# KiCad board corevus-g.kicad_pcb
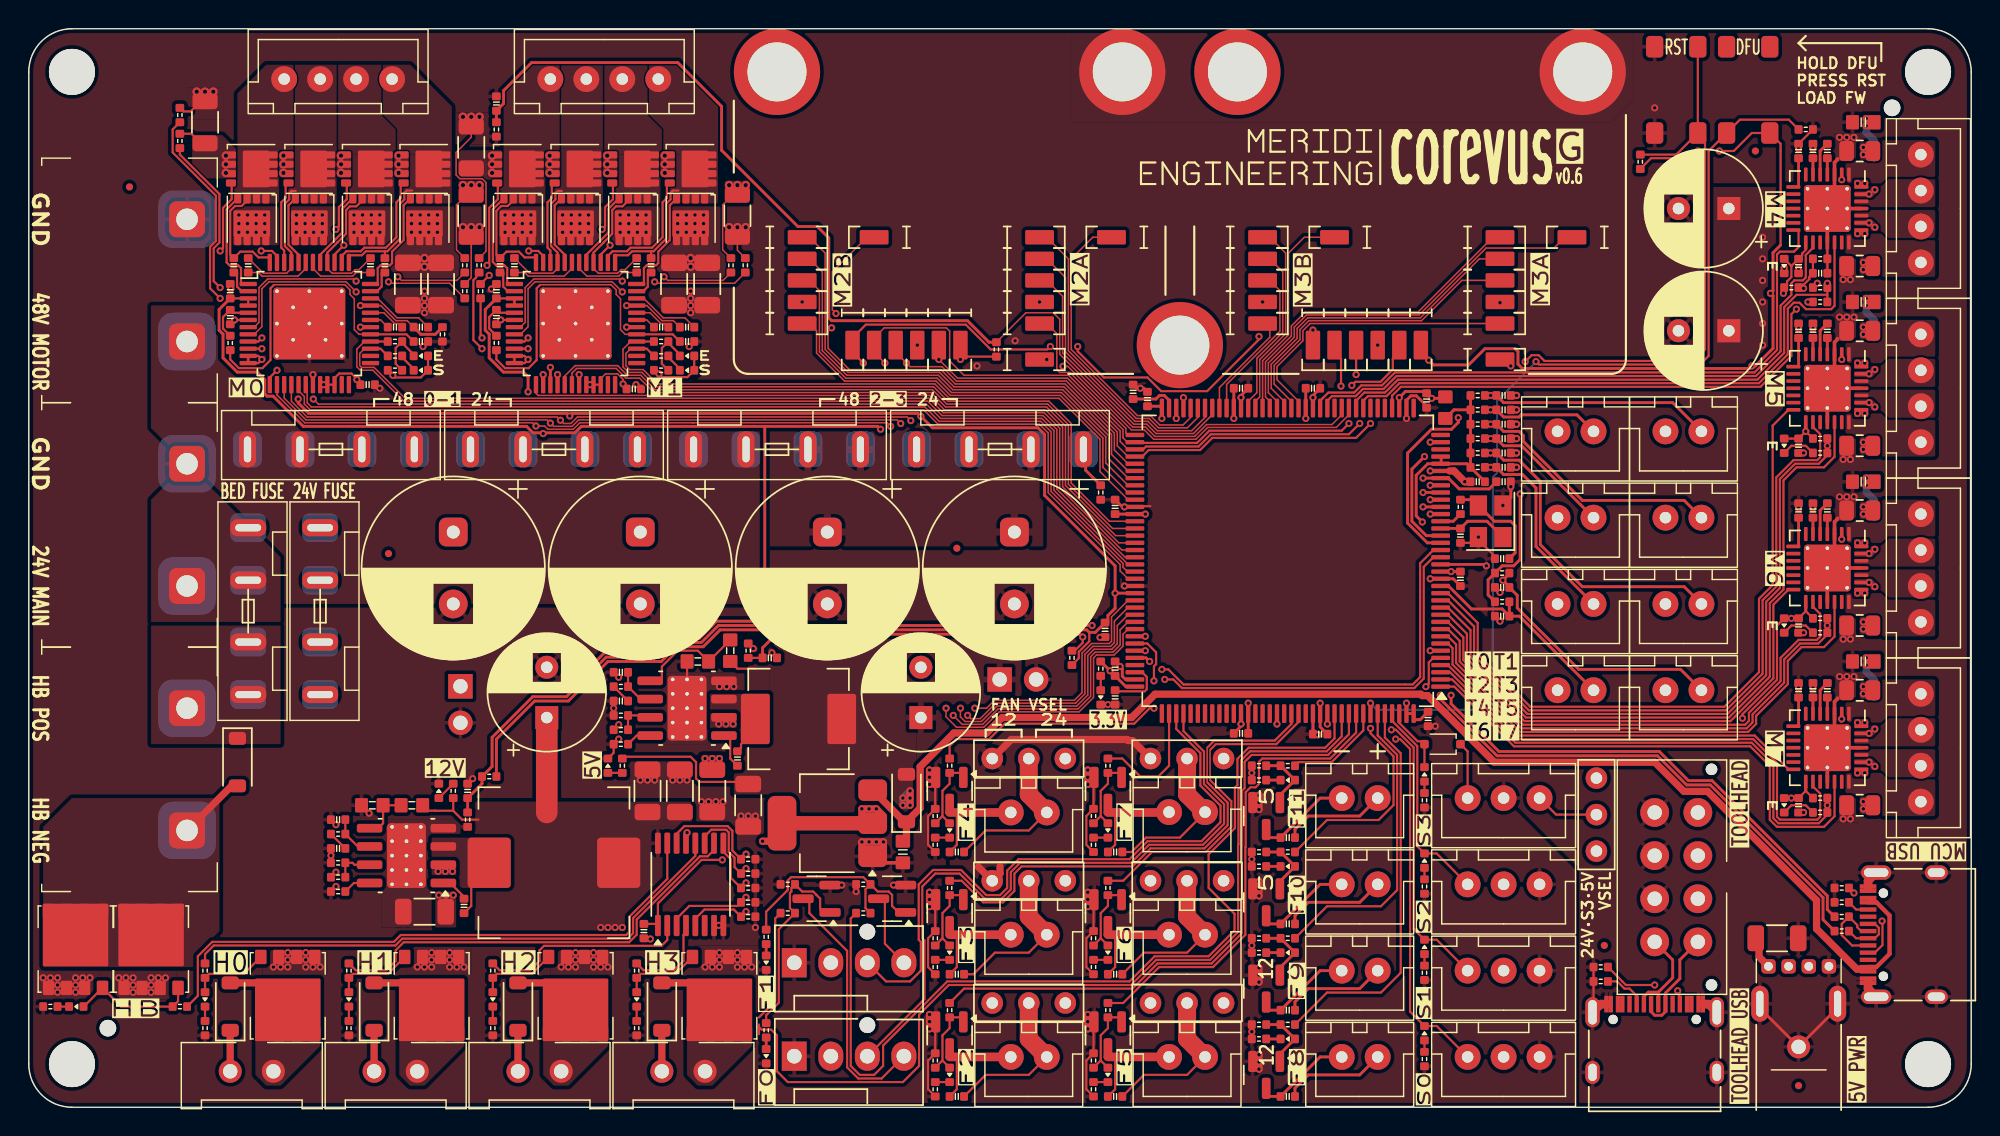
[diagram p0: board, top side]
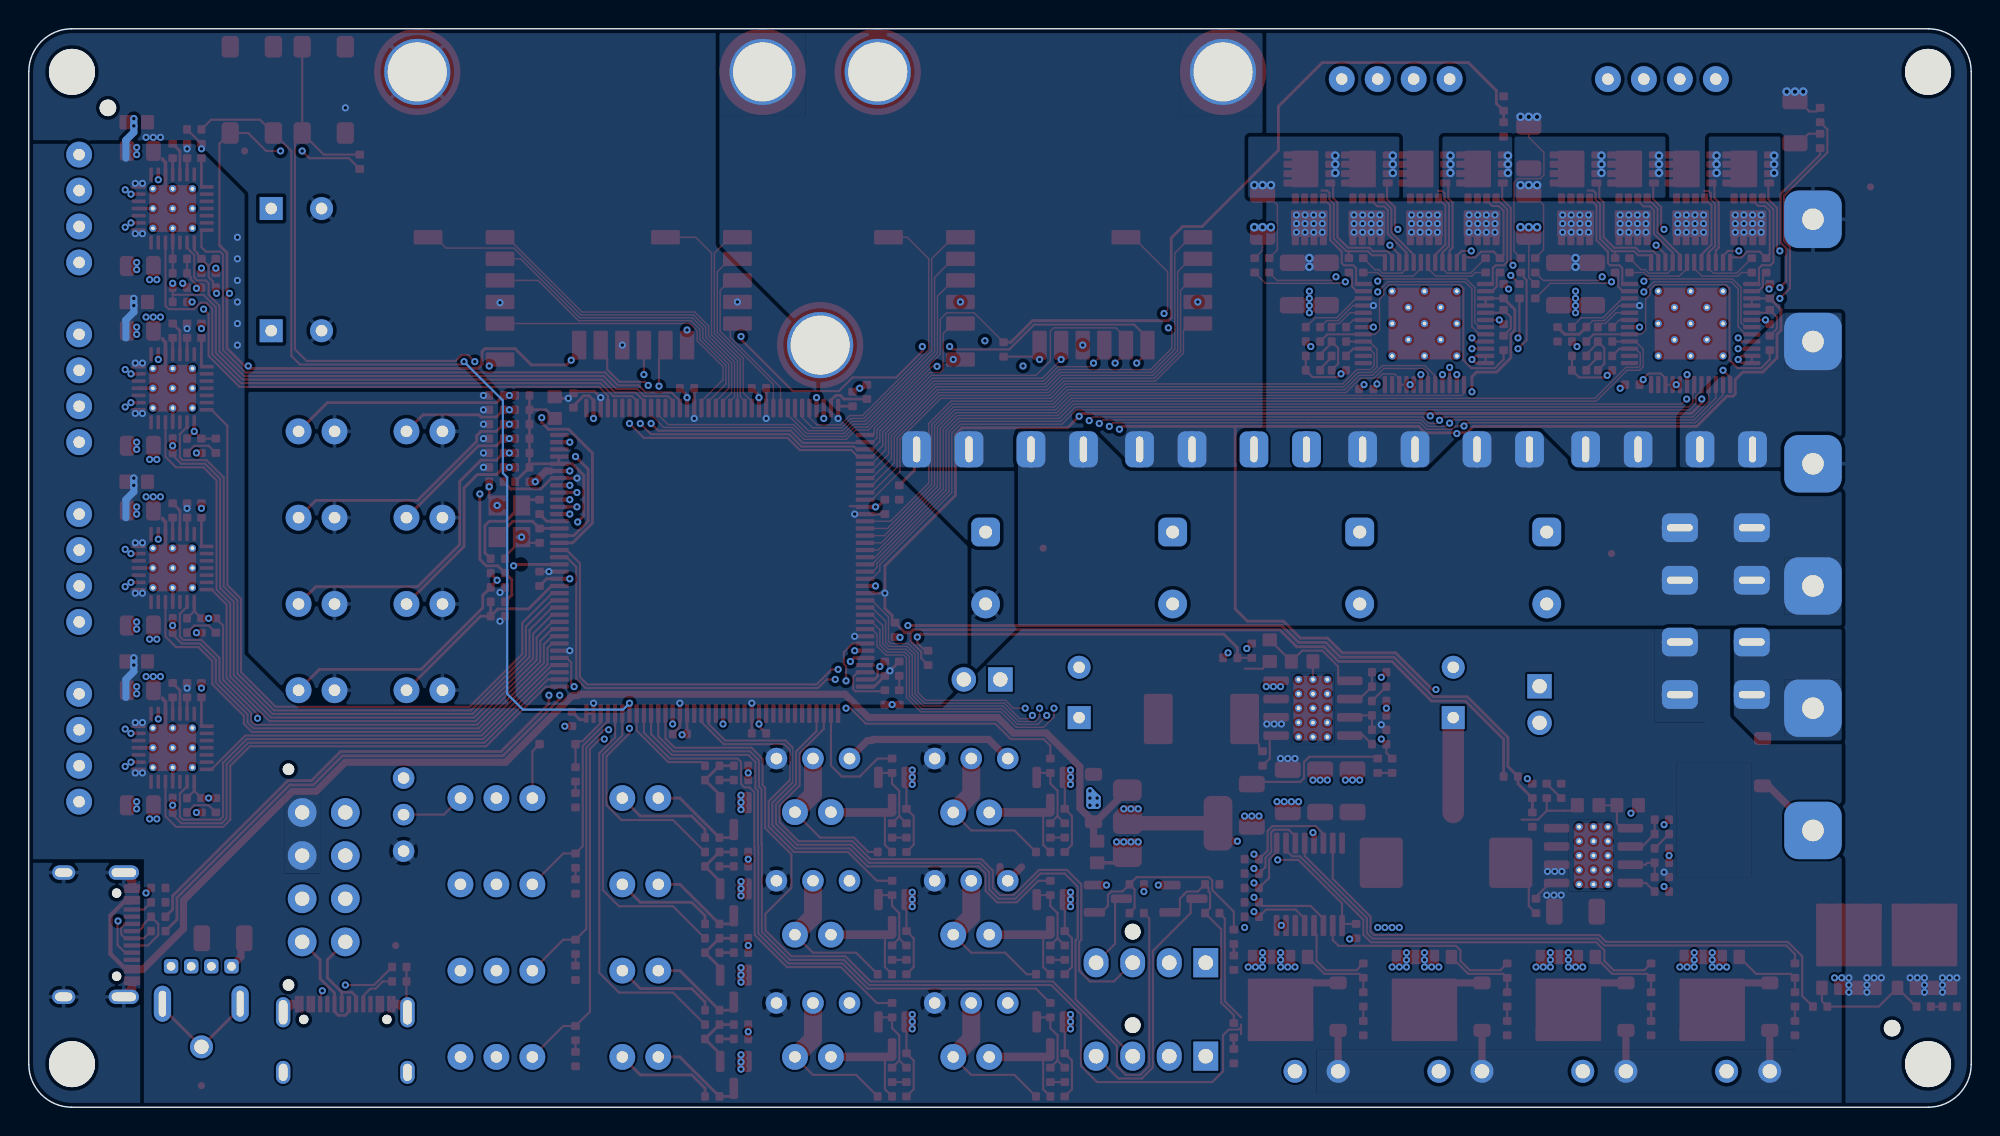
[diagram p1: board, bottom side, seen from below]

Outline 135 x 75 mm; copper layers: Top, In1.Cu (plane), In2.Cu (plane), Bottom. Coordinates in mm from the lower left corner of the outline.
Outline path: 0,72 arc(0.88,74.12) 3,75 132,75 arc(134.12,74.12) 135,72 135,3 arc(134.12,0.88) 132,0 3,0 arc(0.88,0.88) 0,3 0,72
Stack: Top 0.035mm / dielectric 0.1mm FR4 er 4.5 / In1.Cu 0.035mm / dielectric 1.24mm FR4 er 4.5 / In2.Cu 0.035mm / dielectric 0.1mm FR4 er 4.5 / Bottom 0.035mm

## Placement (name value [footprint] x y rotation side)
C1  16pF  [0402C]  99.5 39.75 90 top
C2  16pF  [0402C]  102.4 38.15 0 top
C3  2.2μF  [0402C]  75.5 28.5 90 top
C4  2.2μF  [0402C]  76.75 49.75 90 top
C5  1μF  [0402C]  42.75 12.25 90 top
C6  1μF  [0402C]  102.5 44.5 180 top
C7  1μF  [0402C]  102.5 45.5 180 top
C8  1μF  [0402C]  102.5 46.5 180 top
C9  1μF  [0402C]  102.5 49.5 180 top
C10  100nF 50V  [0402C]  64.5 0.75 0 top
C11  100nF 50V  [0402C]  64.5 9.25 0 top
C12  220μF 35V  [CP_Radial_D8.0mm_P3.50mm]  118.15 62.5 180 top
C13  470μF 63V  [CP_Radial_D12.5mm_P5.00mm]  29.5 37.5 0 top
C14  470μF 63V  [CP_Radial_D12.5mm_P5.00mm]  42.5 37.5 0 top
C15  1µF  [0402C]  99.5 36.75 270 top
C16  470μF 63V  [CP_Radial_D12.5mm_P5.00mm]  55.5 37.5 0 top
C17  470μF 63V  [CP_Radial_D12.5mm_P5.00mm]  68.5 37.5 0 top
C18  1μF  [0402C]  123 58.5 270 top
C19  1μF  [0402C]  123 66.5 270 top
C20  100nF 16V  [0402C]  124 66.5 90 top
C21  22nF 50V  [0402C]  125 66.5 90 top
C22  1μF 50V  [0603C]  127.5 68.5 0 top
C23  1μF  [0402C]  123 46 270 top
C24  1μF  [0402C]  123 54 270 top
C25  100nF 16V  [0402C]  124 54 90 top
C26  22nF 50V  [0402C]  125 54 90 top
C27  1μF 50V  [0603C]  127.5 56 0 top
C28  1μF  [0402C]  123 33.5 270 top
C29  1μF  [0402C]  123 41.5 270 top
C30  100nF 16V  [0402C]  124 41.5 90 top
C31  22nF 50V  [0402C]  125 41.5 90 top
C32  1μF 50V  [0603C]  127.5 43.5 0 top
C33  1μF  [0402C]  123 21 270 top
C34  1μF  [0402C]  123 29 270 top
C35  100nF 16V  [0402C]  124 29 90 top
C36  22nF 50V  [0402C]  125 29 90 top
C37  1μF 50V  [0603C]  127.5 31 0 top
C38  100nF  [0402C]  30.25 14 270 top
C39  100nF 16V  [0402C]  45.75 54.25 180 top
C40  47nF 100V  [0402C]  43.95 54.25 0 top
C41  1μF  [0402C]  42.05 49.95 180 top
C42  1μF  [0402C]  32.5 54.95 90 top
C43  1μF  [0402C]  45.75 53.25 180 top
C44  1µF  [0402C]  97.15 49.15 270 top
C45  1μF  [0402C]  32.5 56.75 270 top
C46  1µF  [0402C]  89.25 50 0 top
C47  1μF  [0402C]  32.75 58.55 90 top
C48  1μF  [0402C]  33.75 58.55 90 top
C49  1μF  [0402C]  42.25 58.55 90 top
C50  1μF  [0402C]  43.25 58.55 90 top
C51  1μF 100V  [C_1206_3216Metric]  44.85 57.25 270 top
C52  1μF 100V  [C_1206_3216Metric]  47.15 57.25 270 top
C53  1µF  [0402C]  84.25 50 0 top
C54  100nF 16V  [0402C]  27.25 54.25 180 top
C55  47nF 100V  [0402C]  25.45 54.25 0 top
C56  1μF  [0402C]  23.55 50.25 180 top
C57  1μF  [0402C]  14 54.95 90 top
C58  1μF  [0402C]  27.25 53.25 180 top
C59  1µF  [0402C]  77.75 49.25 90 top
C60  1μF  [0402C]  14 56.75 270 top
C61  1µF  [0402C]  75.5 41.75 90 top
C62  1μF  [0402C]  14.25 58.55 90 top
C63  1μF  [0402C]  15.25 58.55 90 top
C64  1μF  [0402C]  23.75 58.55 90 top
C65  1μF  [0402C]  24.75 58.55 90 top
C66  1μF 100V  [C_1206_3216Metric]  26.35 57.25 270 top
C67  1μF 100V  [C_1206_3216Metric]  28.65 57.25 270 top
C68  1μF  [0402C]  30.5 22 270 top
C69  1μF  [0402C]  32.5 69.8 270 top
C70  1μF  [0402C]  124.5 58 180 top
C71  1μF  [0402C]  51.5 31.25 180 top
C72  1μF  [0402C]  102.4 34.15 0 top
C73  1μF  [0402C]  102.4 36.15 0 top
C74  100nF 50V  [0402C]  64.5 17.75 0 top
C75  100nF 50V  [0402C]  75.5 17.75 0 top
C76  100nF 50V  [0402C]  75.5 0.75 0 top
C77  1μF  [0402C]  102.5 48.5 180 top
C78  1μF  [0402C]  102.5 47.5 180 top
C79  1µF  [0402C]  74.8 33.2 270 top
C80  100nF  [0402C]  49.25 24.25 90 top
C81  1µF  [0402C]  84.25 26 180 top
C82  1µF  [0402C]  89.75 25.95 180 top
C83  1µF  [0402C]  97.25 27 270 top
C84  1µF  [0402C]  102.5 43.5 0 top
C85  1µF  [0402C]  100.7 43.5 180 top
C86  22μF 25V  [C_1206_3216Metric]  121.5 11.75 0 top
C88  33pF  [0402C]  21.5 20 180 top
C89  100nF 50V  [0402C]  75.5 9.25 0 top
C90  100nF 50V  [0402C]  87.5 0.75 0 top
C91  100nF 50V  [0402C]  87.5 6.75 0 top
C92  100nF 50V  [0402C]  87.5 12.75 0 top
C93  100nF 50V  [0402C]  87.5 18.75 0 top
C94  10μF 50V  [C_1206_3216Metric]  27.5 13.6 180 top
C95  22μF 25V  [C_1206_3216Metric]  45.25 22 90 top
C96  10μF 50V  [C_1206_3216Metric]  47.5 22 270 top
C97  2.2nF  [0402C]  21.5 18 180 top
C98  100pF  [0402C]  41.15 30.25 180 top
C99  10nF  [0402C]  41.15 28.25 180 top
C101  10μF  [0603C]  60.75 17.75 270 top
C102  1μF  [0402C]  75.5 30.5 90 top
C105  22μF 25V  [C_1206_3216Metric]  50 21 270 top
C106  220μF 25V  [CP_Radial_D8.0mm_P3.50mm]  62 27.1 90 top
C107  22μF 25V  [C_1206_3216Metric]  43 22 90 top
C108  220μF 25V  [CP_Radial_D8.0mm_P3.50mm]  36 27.1 90 top
C109  220μF 35V  [CP_Radial_D8.0mm_P3.50mm]  118.15 54 180 top
D1  Red  [0402LED]  64 19.25 90 top
D2  Red  [0402LED]  64 2.25 90 top
D3  Red  [0402LED]  64 10.75 90 top
D4  Grn  [0402LED]  45.75 51.25 0 top
D5  Red  [0402LED]  75 2.25 90 top
D6  Red  [0402LED]  51.25 3.55 90 top
D7  Red  [0402LED]  75 19.25 90 top
D8  Red  [0402LED]  51.25 10.05 90 top
D9  Red  [0402LED]  75 10.75 90 top
D10  Red  [0402LED]  87.5 4.75 0 top
D11  Red  [0402LED]  87.5 10.75 0 top
D12  Red  [0402LED]  3.3 7 0 top
D13  Grn  [0402LED]  27.25 51.25 0 top
D14  5819  [D_SOD-123]  14.5 24 270 top
D15  Red  [0402LED]  87.5 16.75 0 top
D16  Red  [0402LED]  87.5 22.75 0 top
D17  Grn  [0402LED]  28.5 22 270 top
D18  Red  [0402LED]  97 5.15 270 top
D19  Red  [0402LED]  45.75 52.25 0 top
D20  Red  [0402LED]  27.25 52.25 0 top
D21  Red  [0402LED]  122 58.5 90 top
D22  Red  [0402LED]  122 46 90 top
D23  Red  [0402LED]  122 33.5 90 top
D24  Red  [0402LED]  122 21 90 top
D25  Red  [0402LED]  97 11.15 270 top
D26  Red  [0402LED]  97 17.15 270 top
D27  Red  [0402LED]  97 23.15 270 top
D28  1N5819  [D_SOD-323]  98.25 25.25 180 top
D29  5819  [D_SOD-123]  61 21.5 90 top
D30  Grn  [0402LED]  74.5 28.5 90 top
D31  Red  [0402LED]  22.25 7.5 90 top
D32  Grn  [0402LED]  40.25 23.75 270 top
D33  Red  [0402LED]  12.25 7.5 90 top
D34  Red  [0402LED]  32.25 7.5 90 top
D35  Red  [0402LED]  42.25 7.5 90 top
D36  5819  [D_SOD-123]  24 7 90 top
D38  5819  [D_SOD-123]  14 7 90 top
D39  5819  [D_SOD-123]  34 7 90 top
D40  5819  [D_SOD-123]  44 7 90 top
F1  10A  [XF-506P]  52 45.75 0 top
F2  10A  [XF-506P]  67.5 45.75 0 top
F3  10A  [XF-506P]  15.25 34.5 270 top
F4  10A  [XF-506P]  21 45.75 0 top
F5  10A  [XF-506P]  36.5 45.75 0 top
F6  10A  [XF-506P]  20.25 34.5 270 top
FB1  GZ1608  [0603]  98.45 48.65 270 top
FID1  Fiducial  [Fiducial_0.5mm_Mask1mm]  7 64 0 top
FID2  Fiducial  [Fiducial_0.5mm_Mask1mm]  64.5 38.88 0 top
FID3  Fiducial  [Fiducial_0.5mm_Mask1mm]  120 66.5 0 top
FID4  Fiducial  [Fiducial_0.5mm_Mask1mm]  109.5 11.25 0 top
FID5  Fiducial  [Fiducial_0.5mm_Mask1mm]  25 38.5 0 top
FID6  Fiducial  [Fiducial_0.5mm_Mask1mm]  123 1.5 0 top
H1  MountingHole  [MountingHole_3.2mm_M3_DIN965]  3 72 0 top
H2  MountingHole  [MountingHole_3.2mm_M3_DIN965]  3 3 0 top
H3  MountingHole  [MountingHole_3.2mm_M3_DIN965]  132 72 0 top
H4  MountingHole  [MountingHole_3.2mm_M3_DIN965]  132 3 0 top
H5  V_{M}  [M3_M2.5_PCB_Nut]  52 72 0 top
H6  Gnd  [M3_M2.5_PCB_Nut]  76 72 0 top
H7  V_{M}  [M3_M2.5_PCB_Nut]  84 72 0 top
H8  Gnd  [M3_M2.5_PCB_Nut]  108 72 0 top
H9  -  [ToolingHole]  129.5 69.5 0 top
H10  -  [ToolingHole]  5.5 5.5 0 top
H13  Back  [M3_M2.5_PCB_Nut]  80 53 0 top
J1  USB 2.0  [USB_Type-C_16p]  131.5 12 90 top
J2  JST XH  [JST_XH_1x02]  69.5 3.5 0 top
J3  1x2P  [Kefa_KF8500-8.5-2P]  11 57.5 270 top
J4  JST XH  [JST_XH_1x02]  69.5 12 0 top
J5  JST XH  [JST_XH_1x02]  80.5 3.5 0 top
J6  KK2.54  [FanPinHeader_1x04_P2.54mm_Vertical]  53.2 3.55 0 top
J7  JST XH  [JST_XH_1x02]  115 35 0 top
J8  JST XH  [JST_XH_1x02]  107.5 35 0 top
J9  JST XH  [JST_XH_1x02]  107.5 41 0 top
J10  JST XH  [JST_XH_1x02]  115 47 0 top
J11  JST XH  [JST_XH_1x02]  107.5 47 0 top
J12  JST XH  [JST_XH_1x02]  115 41 0 top
J13  USB 2.0  [USB_Type-C_16p]  113 3.5 0 top
J14  KK2.54  [FanPinHeader_1x04_P2.54mm_Vertical]  53.2 10.05 0 top
J15  JST XH  [JST_XH_1x02]  80.5 12 0 top
J16  JST XH  [JST_XH_1x02]  92.5 3.5 0 top
J17  JST XH  [JST_XH_1x02]  92.5 9.5 0 top
J18  1x3P  [PinHeader_1x03_P2.54mm_Vertical]  66.96 7.25 90 top
J19  1x3P  [PinHeader_1x03_P2.54mm_Vertical]  66.96 24.25 90 top
J20  1x3P  [PinHeader_1x03_P2.54mm_Vertical]  66.96 15.75 90 top
J21  JST XH  [JST_XH_1x02]  92.5 15.5 0 top
J22  JST XH  [JST_XH_1x02]  92.5 21.5 0 top
J23  JST XH  [JST_XH_1x02]  107.5 29 0 top
J24  XH  [JST_XH_1x03]  102.5 3.5 0 top
J25  XH  [JST_XH_1x03]  102.5 9.5 0 top
J26  XH  [JST_XH_1x03]  102.5 15.5 0 top
J27  JST XH  [JST_XH_1x03]  102.5 21.5 0 top
J28  MF3 2x04P  [Molex_Micro-Fit-3.0_430450813]  114.5 16 270 top
J29  USB_A  [Jing_USB-A_906-761]  123.01 7 0 top
J30  MF3 1x02P  [HCTL_HC-MX3.0-2A]  25.5 2.5 0 top
J31  1x3P  [PinHeader_1x03_P2.54mm_Vertical]  77.96 7.25 90 top
J32  MF3 1x02P  [HCTL_HC-MX3.0-2A]  15.5 2.5 0 top
J33  MF3 1x02P  [HCTL_HC-MX3.0-2A]  35.5 2.5 0 top
J34  MF3 1x02P  [HCTL_HC-MX3.0-2A]  45.5 2.5 0 top
J35  1x2P  [Kefa_KF8500-8.5-2P]  11 40.5 270 top
J36  1x2P  [Kefa_KF8500-8.5-2P]  11 23.5 270 top
J37  JST XH  [JST_XH_1x02]  69.5 20.5 0 top
J38  1x3P  [PinHeader_1x03_P2.54mm_Vertical]  108.95 17.81 180 top
J39  JST XH  [JST_XH_1x02]  115 29 0 top
J40  JST XH  [JST_XH_1x02]  80.5 20.52 0 top
J41  1x3P  [PinHeader_1x03_P2.54mm_Vertical]  77.96 15.75 90 top
J42  1x3P  [PinHeader_1x03_P2.54mm_Vertical]  77.96 24.25 90 top
J43  1x2P  [PinHeader_1x02_P2.54mm_Vertical]  30 29.27 0 top  (not fitted)
J44  1x2P  [PinHeader_1x02_P2.54mm_Vertical]  67.47 29.75 90 top  (not fitted)
L1  47μH  [L_Changjiang_FXL1040]  36.5 17 0 top
L2  22μH  [L_Changjiang_FXL0640]  53.5 27 0 top
M1  JST XH  [JST_XH_1x04]  131.5 62.5 90 top
M2  JST XH  [JST_XH_1x04]  131.5 50 90 top
M3  JST XH  [JST_XH_1x04]  131.5 37.5 90 top
M4  JST XH  [JST_XH_1x04]  131.5 25 90 top
M5  JST XH  [JST_XH_1x04]  40 71.5 180 top
M6  JST XH  [JST_XH_1x04]  21.5 71.5 180 top
NT1  NetTie_2  [NetTie-2_SMD_Pad0.1mm]  97.5 44.25 0 top
NT3  NetTie_2  [NetTie-2_SMD_Pad0.1mm]  30.75 67.55 90 top
NT4  NetTie_2  [NetTie-2_SMD_Pad0.1mm]  49.25 59.9 270 top
NT5  NetTie_2  [NetTie-2_SMD_Pad0.1mm]  11.32 69.32 45 top
NT6  NetTie_2  [NetTie-2_SMD_Pad0.1mm]  30.75 59.9 270 top
Q1  AO3400  [SOT-23]  64 5 270 top
Q2  AO3400  [SOT-23]  64 13.5 270 top
Q3  30N06  [MOSFET_DFN8]  34 61.75 180 top
Q4  30N06  [MOSFET_DFN8]  38 61.75 180 top
Q5  30N06  [MOSFET_DFN8]  42 61.75 180 top
Q6  30N06  [MOSFET_DFN8]  46 61.75 180 top
Q7  30N06  [MOSFET_DFN8]  34 65.25 270 top
Q8  30N06  [MOSFET_DFN8]  38 65.25 270 top
Q9  30N06  [MOSFET_DFN8]  42 65.25 270 top
Q10  30N06  [MOSFET_DFN8]  46 65.25 270 top
Q11  30N06  [MOSFET_DFN8]  15.5 61.75 180 top
Q12  30N06  [MOSFET_DFN8]  19.5 61.75 180 top
Q13  30N06  [MOSFET_DFN8]  23.5 61.75 180 top
Q14  30N06  [MOSFET_DFN8]  27.5 61.75 180 top
Q15  30N06  [MOSFET_DFN8]  15.5 65.25 270 top
Q16  30N06  [MOSFET_DFN8]  19.5 65.25 270 top
Q17  30N06  [MOSFET_DFN8]  23.5 65.25 270 top
Q18  30N06  [MOSFET_DFN8]  27.5 65.25 270 top
Q19  AO3400  [SOT-23]  75 5 270 top
Q20  AO3400  [SOT-23]  54.75 14.5 180 top
Q21  AO3400  [SOT-23]  60 14.5 180 top
Q22  AO3400  [SOT-23]  75 13.5 270 top
Q23  AO3400  [SOT-23]  86 2.25 270 top
Q24  AO3400  [SOT-23]  86 8.25 270 top
Q25  60N03F  [MOSFET_DFN8_5x6]  8.5 11 0 top
Q26  60N03F  [MOSFET_DFN8_5x6]  3.25 11 0 top
Q27  AO3400  [SOT-23]  64 22 270 top
Q28  AO3400  [SOT-23]  86 14.25 270 top
Q29  AO3400  [SOT-23]  86 20.25 270 top
Q30  AO3400  [SOT-23]  75 22 270 top
Q31  DFN8-5x6  [MOSFET_DFN8_5x6]  28 7.75 180 top
Q33  DFN8-5x6  [MOSFET_DFN8_5x6]  18 7.75 180 top
Q34  DFN8-5x6  [MOSFET_DFN8_5x6]  38 7.75 180 top
Q35  DFN8-5x6  [MOSFET_DFN8_5x6]  48 7.75 180 top
R1  10kΩ  [0402R]  123.5 68 0 top
R2  4.7kΩ  [0402R]  102.4 35.15 180 top
R3  1kΩ  [0402R]  99.5 41.75 270 top
R4  33Ω  [0402R]  126 13.25 0 top
R5  33Ω  [0402R]  126 12.25 0 top
R6  5.1kΩ  [0402R]  126 15.25 0 top
R7  5.1kΩ  [0402R]  126 14.25 0 top
R8  220kΩ  [0402R]  74.5 42.75 270 top
R9  220kΩ  [0402R]  28.75 53.75 270 top
R10  10kΩ  [0402R]  50 14.25 0 top
R11  10kΩ  [0402R]  50 13.25 0 top
R12  4.7kΩ  [0402R]  102.4 37.15 180 top
R13  10kΩ  [0402R]  50 15.25 0 top
R14  10kΩ  [0402R]  50 16.25 0 top
R15  4.7kΩ  [0402R]  100.7 44.5 180 top
R16  4.7kΩ  [0402R]  100.7 45.5 180 top
R17  4.7kΩ  [0402R]  100.7 46.5 180 top
R18  4.7kΩ  [0402R]  100.7 49.5 180 top
R19  10kΩ  [0402R]  112 65.75 90 top
R20  100mΩ  [R_0805_2012Metric]  127.25 58.5 180 top
R21  100mΩ  [R_0805_2012Metric]  127.25 66.5 180 top
R22  4.7kΩ  [0402R]  124.5 57 0 top
R23  10kΩ  [0402R]  124.5 46.5 0 top
R24  4.7kΩ  [0402R]  124.5 45.5 0 top
R25  10kΩ  [0402R]  50 17.25 0 top
R26  100mΩ  [R_0805_2012Metric]  127.25 46 180 top
R27  100mΩ  [R_0805_2012Metric]  127.25 54 180 top
R28  10kΩ  [0402R]  124.5 34 0 top
R29  4.7kΩ  [0402R]  124.5 33 0 top
R30  100mΩ  [R_0805_2012Metric]  127.25 33.5 180 top
R31  100Ω  [0402R]  64 6.75 270 top
R32  1Ω  [0402R]  32.5 53.15 270 top
R33  33Ω  [0402R]  31.4 56.75 270 top
R34  33Ω  [0402R]  48.8 58.55 270 top
R35  50mΩ  [R_1206_3216Metric]  30.75 66.75 90 top
R36  50mΩ  [R_1206_3216Metric]  49.25 62 270 top
R37  33Ω  [0402R]  31.3 58.55 270 top
R38  33Ω  [0402R]  49.8 58.55 270 top
R39  100Ω  [0402R]  64 15.25 270 top
R40  1Ω  [0402R]  14 53.15 270 top
R41  33Ω  [0402R]  10.5 67.2 270 top
R42  33Ω  [0402R]  30.3 58.55 270 top
R43  50mΩ  [R_1206_3216Metric]  12.25 68.5 90 top
R44  50mΩ  [R_1206_3216Metric]  30.75 62 270 top
R45  33Ω  [0402R]  10.5 69 270 top
R46  33Ω  [0402R]  30.3 56.75 270 top
R47  100Ω  [0402R]  75 6.75 270 top
R48  100Ω  [0402R]  52.75 13.5 0 top
R49  10kΩ  [0402R]  63 3.25 90 top
R50  10kΩ  [0402R]  63 11.75 90 top
R51  4.7kΩ  [0402R]  100.7 48.5 180 top
R52  10kΩ  [0402R]  74 3.25 90 top
R53  10kΩ  [0402R]  52.75 15.5 180 top
R54  4.7kΩ  [0402R]  63 1.25 270 top
R55  4.7kΩ  [0402R]  63 9.75 270 top
R56  4.7kΩ  [0402R]  100.7 47.5 180 top
R57  4.7kΩ  [0402R]  74 1.25 270 top
R58  4.7kΩ  [0402R]  51.25 5.35 90 top
R59  100Ω  [0402R]  64 23.75 270 top
R60  100Ω  [0402R]  58 13.5 0 top
R61  100Ω  [0402R]  75 15.25 270 top
R62  100Ω  [0402R]  87.5 5.75 180 top
R63  100Ω  [0402R]  87.5 11.75 180 top
R64  10kΩ  [0402R]  58 15.5 180 top
R65  10kΩ  [0402R]  74 11.75 90 top
R66  10kΩ  [0402R]  85.5 5.75 180 top
R67  10kΩ  [0402R]  85.5 11.75 180 top
R68  100Ω  [0402R]  10.5 7 180 top
R69  4.7kΩ  [0402R]  51.25 11.85 270 top
R70  22kΩ  [0402R]  1.5 7 0 top
R71  4.7kΩ  [0402R]  74 9.75 270 top
R72  4.7kΩ  [0402R]  85.5 4.75 180 top
R73  4.7kΩ  [0402R]  85.5 10.75 180 top
R74  100Ω  [0402R]  87.5 17.75 180 top
R75  100Ω  [0402R]  87.5 23.75 180 top
R76  100Ω  [0402R]  75 23.75 270 top
R77  10kΩ  [0402R]  85.5 17.75 180 top
R78  10kΩ  [0402R]  85.5 23.75 180 top
R79  10kΩ  [0402R]  63 20.25 90 top
R80  4.7kΩ  [0402R]  85.5 16.75 180 top
R81  4.7kΩ  [0402R]  85.5 22.75 180 top
R82  10kΩ  [0402R]  74 20.25 90 top
R83  4.7kΩ  [0402R]  97 21.35 270 top
R84  4.7kΩ  [0402R]  97 3.35 270 top
R85  4.7kΩ  [0402R]  97 9.35 270 top
R86  4.7kΩ  [0402R]  97 15.35 270 top
R87  4.7kΩ  [0402R]  32 23 0 top
R88  4.7kΩ  [0402R]  67.25 52.7 270 top
R89  4.7kΩ  [0402R]  122.5 57 180 top
R90  30kΩ  [0603R]  48.75 31.75 270 top
R91  5.6kΩ  [0603R]  46.5 31 0 top
R92  47kΩ  [0603R]  26.62 21 0 top
R93  3.3kΩ  [0603R]  23.88 21 0 top
R94  220kΩ  [0402R]  21.5 16 0 top
R95  18kΩ  [0402R]  21.5 17 180 top
R96  220kΩ  [0402R]  21.5 15 180 top
R97  10kΩ  [0402R]  124.5 56 0 top
R98  4.7kΩ  [0402R]  43.95 53.25 180 top
R99  4.7kΩ  [0402R]  25.45 53.25 180 top
R100  100mΩ  [R_0805_2012Metric]  127.25 41.5 180 top
R101  10kΩ  [0402R]  124.5 21.5 0 top
R102  4.7kΩ  [0402R]  124.5 20.5 0 top
R103  100mΩ  [R_0805_2012Metric]  127.25 21 180 top
R104  24kΩ  [0402R]  21.5 19 180 top
R105  100mΩ  [R_0805_2012Metric]  127.25 29 180 top
R106  10kΩ  [0402R]  43.95 51.25 0 top
R107  10kΩ  [0402R]  25.45 51.25 0 top
R108  10kΩ  [0402R]  74.5 30.5 90 top
R109  22kΩ  [0402R]  41.15 27.25 180 top
R110  100kΩ  [0402R]  41.15 26.25 0 top
R111  220kΩ  [0402R]  41.15 25.25 180 top
R112  4.7kΩ  [0402R]  41.15 29.25 180 top
R113  22kΩ  [0402R]  22.25 5.5 270 top
R114  4.7kΩ  [0402R]  72.5 31.25 270 top
R115  22kΩ  [0402R]  12.25 5.5 270 top
R116  22kΩ  [0402R]  32.25 5.5 270 top
R117  22kΩ  [0402R]  42.25 5.5 270 top
R118  470Ω  [0402R]  43.95 52.25 180 top
R119  470Ω  [0402R]  25.45 52.25 180 top
R120  100Ω  [0402R]  22.25 9.5 270 top
R121  5.1kΩ  [0402R]  109.25 8.75 180 top
R122  100Ω  [0402R]  12.25 9.5 270 top
R123  100Ω  [0402R]  32.25 9.5 270 top
R124  100Ω  [0402R]  42.25 9.5 270 top
R125  5.1kΩ  [0402R]  109.25 9.75 180 top
R126  4.7kΩ  [0402R]  63 18.25 270 top
R127  4.7kΩ  [0402R]  74 18.25 270 top
R128  47kΩ  [0402R]  29.5 22 270 top
R129  22kΩ  [0402R]  41.25 23.75 90 top
SW1  SPST  [BZCN_TSC015]  119.5 70.75 90 top
SW3  SPST  [BZCN_TSC015]  114.5 70.75 90 top
T1  V_{SA}  [LGA_Spring]  57.25 52 180 top
T2  SClk  [LGA_Spring]  58.75 52 180 top
T3  Gnd  [LGA_Spring]  61.75 52 180 top
T4  MOSI  [LGA_Spring]  60.25 52 180 top
T5  MISO  [LGA_Spring]  63.25 52 180 top
T6  V_{CC}IO  [LGA_Spring]  64.75 52 180 top
T7  Therm  [LGA_Spring]  71.25 52 270 top
T8  TestPoint  [LGA_Spring]  71.25 54.5 270 top
T9  TestPoint  [LGA_Spring]  71.25 56 270 top
T10  TestPoint  [LGA_Spring]  71.25 57.5 270 top
T11  TestPoint  [LGA_Spring]  71.25 59 270 top
T12  TestPoint  [LGA_Spring]  71.25 60.5 270 top
T13  TestPoint  [LGA_Spring]  74.25 60.5 90 top
T14  TestPoint  [LGA_Spring]  54.75 54.5 270 top
T15  TestPoint  [LGA_Spring]  54.75 56 270 top
T16  TestPoint  [LGA_Spring]  54.75 57.5 270 top
T17  V_{SA}  [LGA_Spring]  89.25 52 180 top
T18  SClk  [LGA_Spring]  90.75 52 180 top
T19  Gnd  [LGA_Spring]  93.75 52 180 top
T20  MOSI  [LGA_Spring]  92.25 52 180 top
T21  MISO  [LGA_Spring]  95.25 52 180 top
T22  V_{CC}IO  [LGA_Spring]  96.75 52 180 top
T23  Therm  [LGA_Spring]  103.25 52 270 top
T24  TestPoint  [LGA_Spring]  103.25 54.5 270 top
T25  TestPoint  [LGA_Spring]  103.25 56 270 top
T26  TestPoint  [LGA_Spring]  103.25 57.5 270 top
T27  TestPoint  [LGA_Spring]  103.25 59 270 top
T28  TestPoint  [LGA_Spring]  103.25 60.5 270 top
T29  TestPoint  [LGA_Spring]  106.25 60.5 90 top
T30  TestPoint  [LGA_Spring]  86.75 54.5 270 top
T31  TestPoint  [LGA_Spring]  86.75 56 270 top
T32  TestPoint  [LGA_Spring]  86.75 57.5 270 top
T33  TestPoint  [LGA_Spring]  54.75 59 270 top
T34  TestPoint  [LGA_Spring]  54.75 60.5 270 top
T35  TestPoint  [LGA_Spring]  57.75 60.5 90 top
T36  TestPoint  [LGA_Spring]  86.75 59 270 top
T37  TestPoint  [LGA_Spring]  86.75 60.5 270 top
T38  TestPoint  [LGA_Spring]  89.75 60.5 90 top
TH1  10kΩ/3950K  [0402R]  30.5 20 270 top
TH2  10kΩ/3950K  [0402R]  32.5 68 270 top
TH3  10kΩ/3950K  [0402R]  124.5 59 0 top
TH4  10kΩ/3950K  [0402R]  50 31.75 90 top
U1  STM32F407ZETx  [LQFP-144_20x20mm_P0.5mm]  87.5 38 180 top
U2  CD4504B  [TSSOP-16_4.4x5mm_P0.65mm]  46 15.5 90 top
U3  TPS54335A  [SOIC-8-1EP_3.9x4.9mm_P1.27mm_EP2.95x4.9mm_Mask2.71x3.4mm_ThermalVias]  26.25 17.5 180 top
U4  TPS54335A  [SOIC-8-1EP_3.9x4.9mm_P1.27mm_EP2.95x4.9mm_Mask2.71x3.4mm_ThermalVias]  45.75 27.75 180 top
U5  AMS1117-3.3  [SOT-223-3_TabPin2]  55.5 19.75 180 top
U6  TMC2209-LA  [TMC220x]  125 62.5 270 top
U7  TMC2209-LA  [TMC220x]  125 50 270 top
U8  TMC2209-LA  [TMC220x]  125 37.5 270 top
U9  TMC2209-LA  [TMC220x]  125 25 270 top
U11  TMC2160  [TMCx160]  38 54.5 0 top
U12  TMC2160  [TMCx160]  19.5 54.5 0 top
Y1  25 MHz  [Crystal_SMD_3225-4Pin_3.2x2.5mm]  101.6 40.75 90 top
